# Altium PCB PCB1.PcbDoc
Units mm, origin at the board's own origin, x right, y up, seen from the top; angles counter-clockwise.
Board outline 98.71 x 75.31 mm, 4 copper layers (Top Layer 1, Top Layer, Bottom Layer, Bottom Layer 1), stack 1.483 mm thick; 68 components, 51 nets, 217 pads, 38 vias.
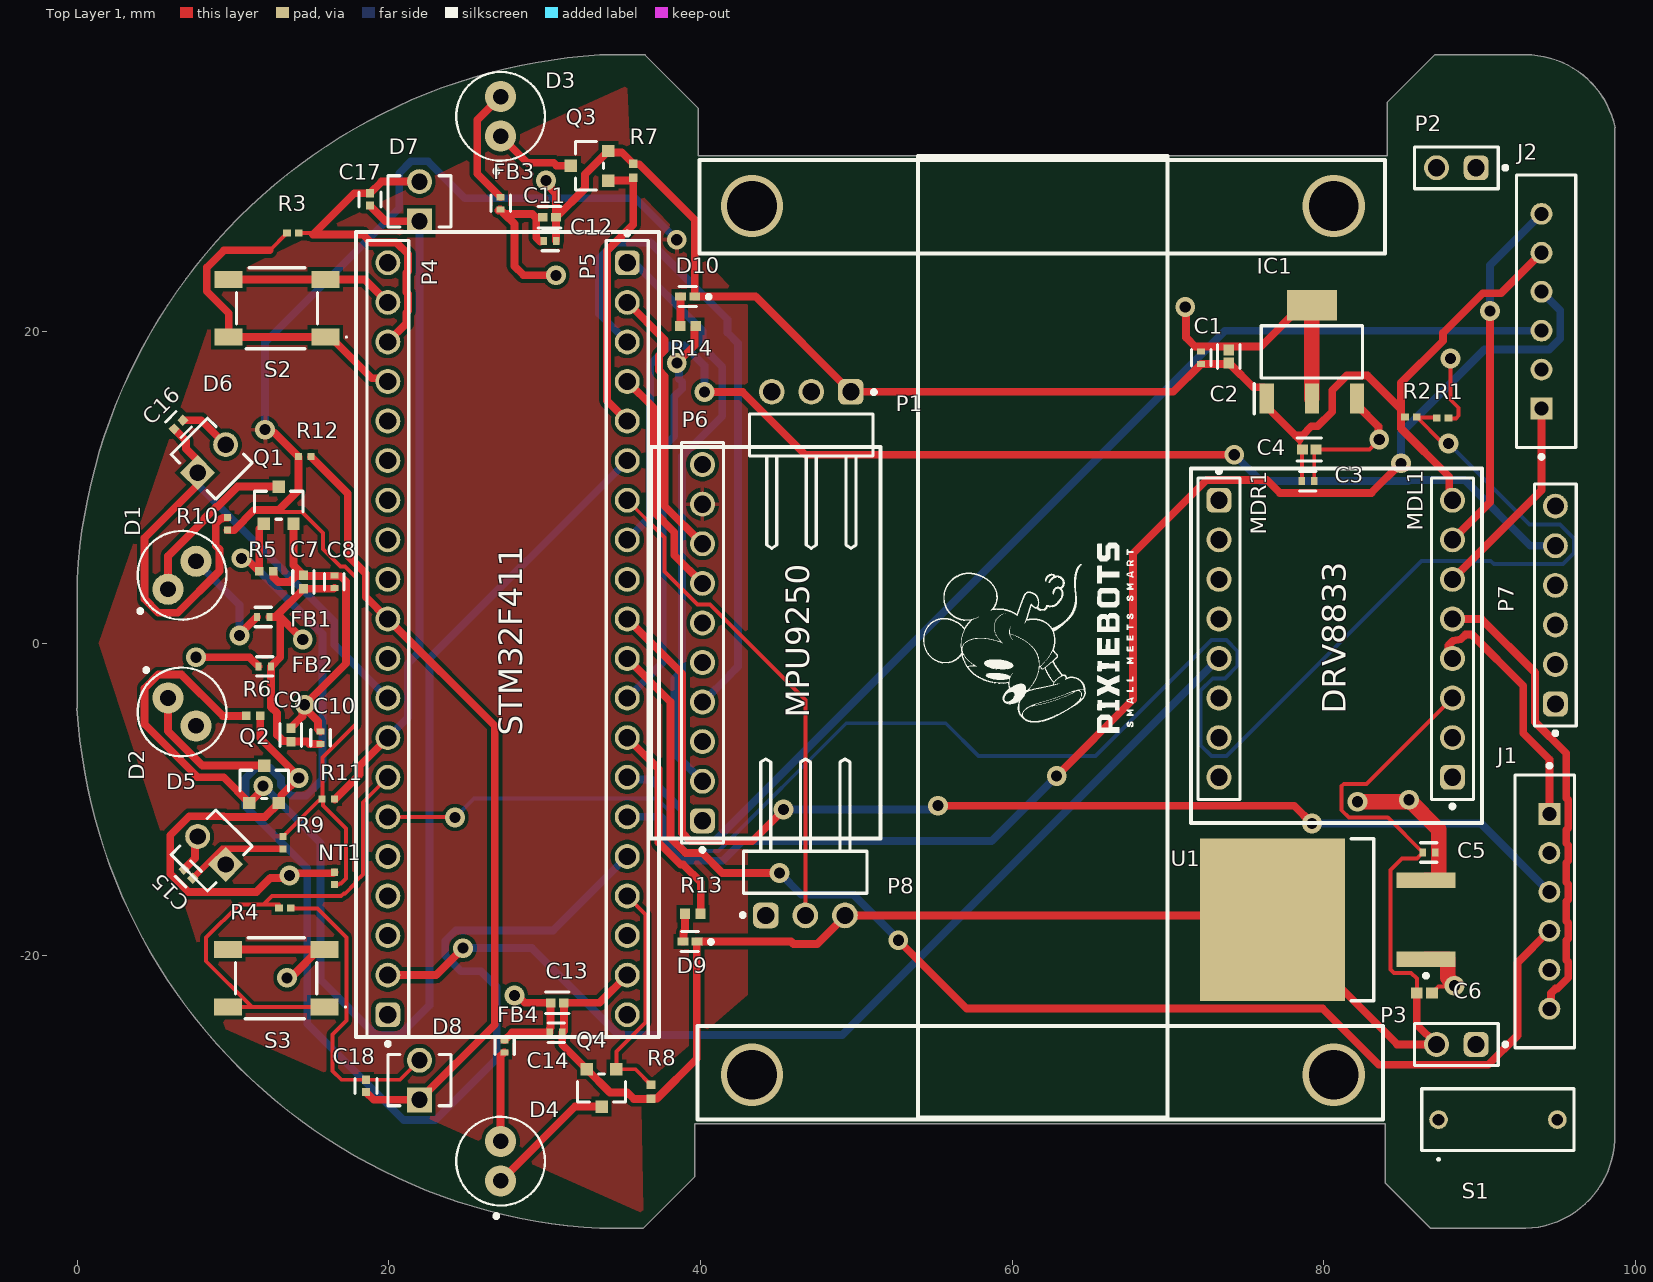
[diagram p0: Top Layer 1 view]
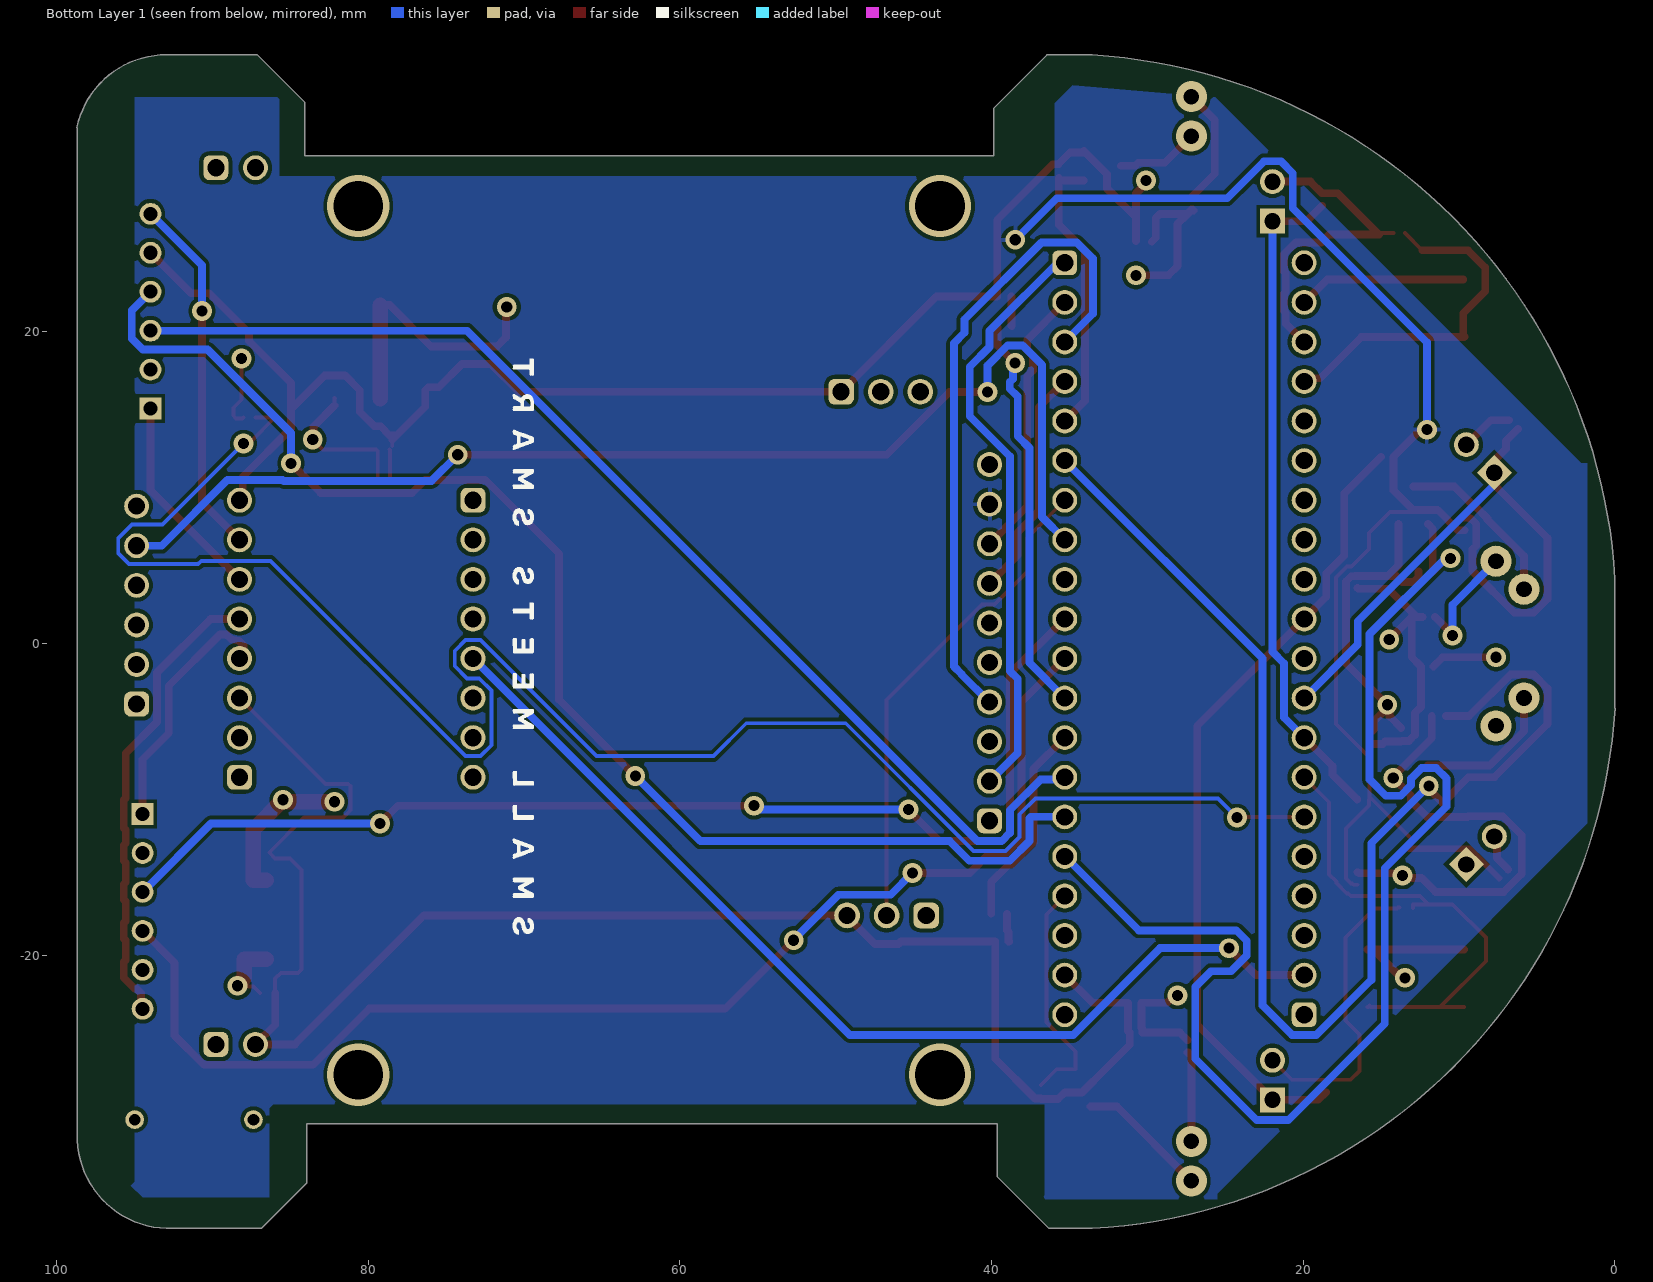
[diagram p1: Bottom Layer 1 view, seen from below]
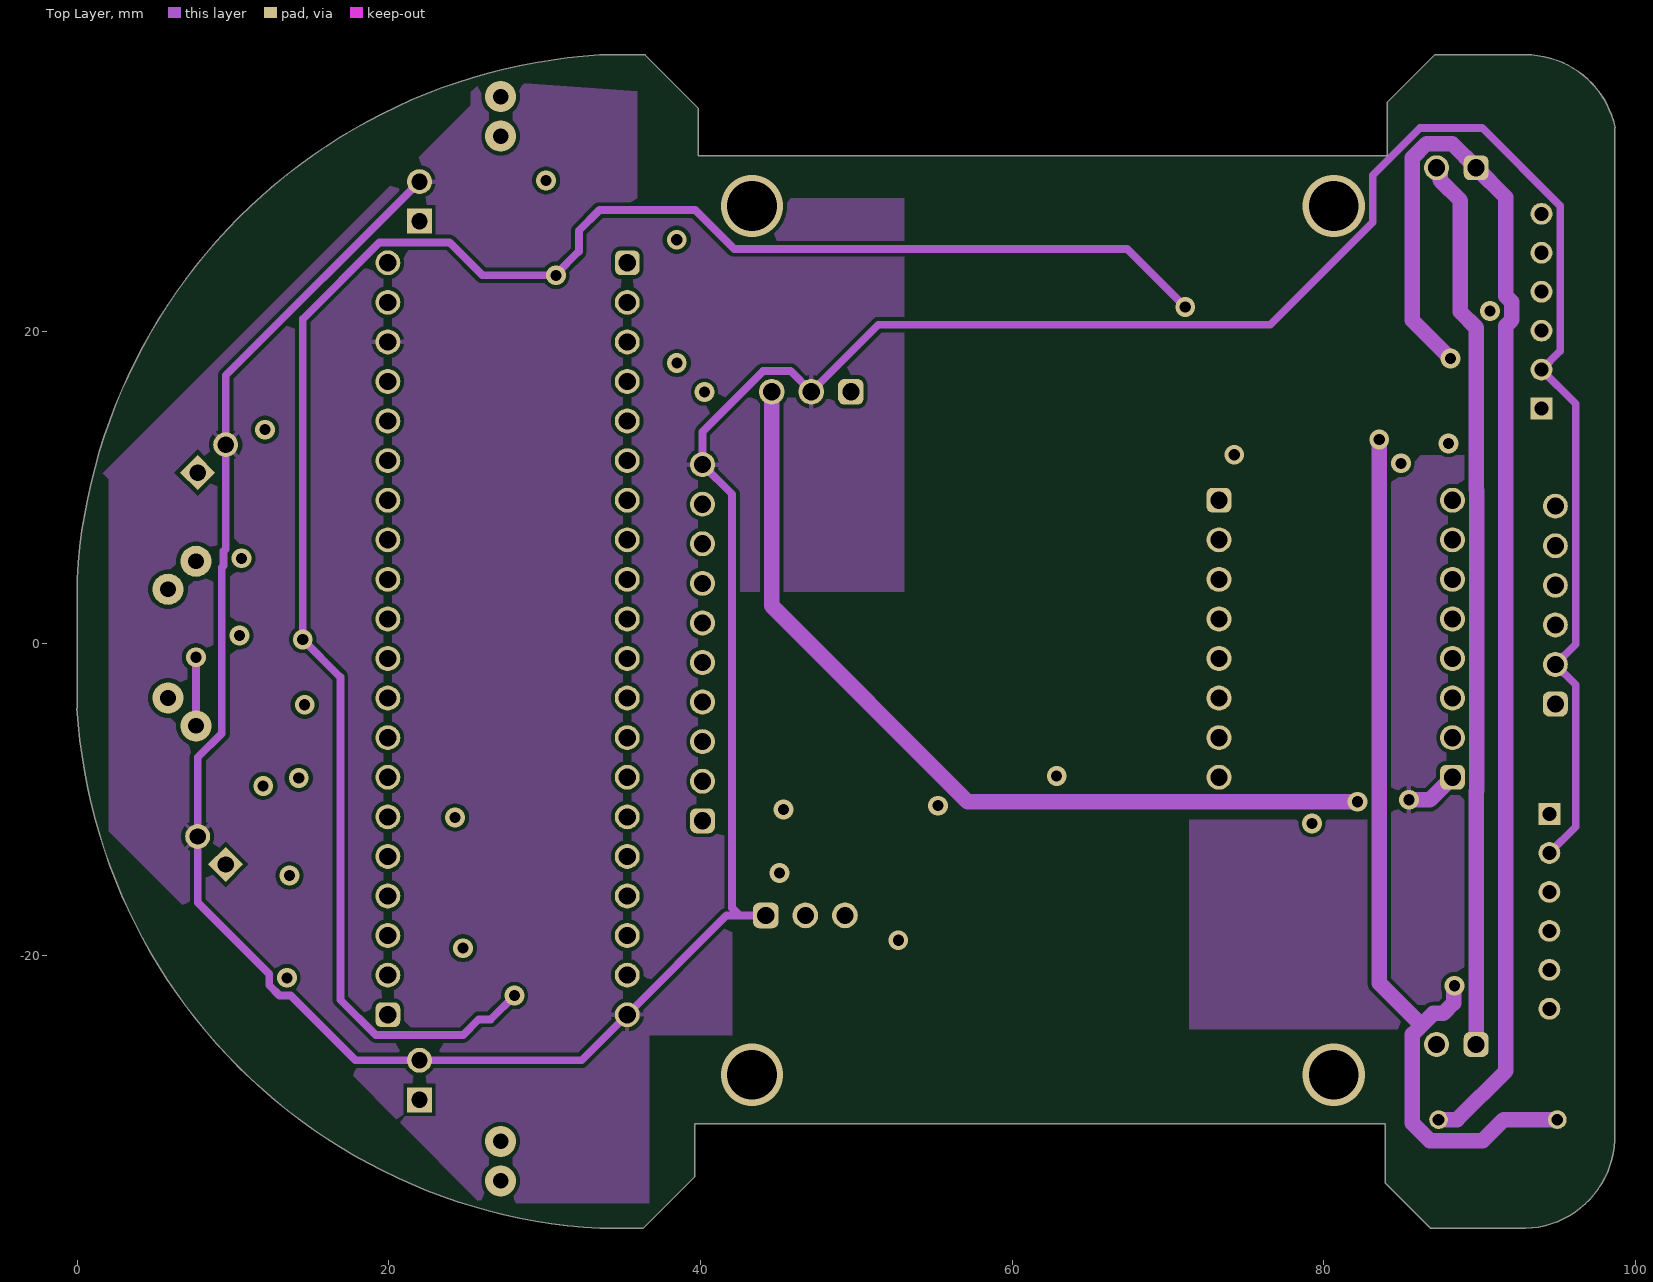
[diagram p2: Top Layer]
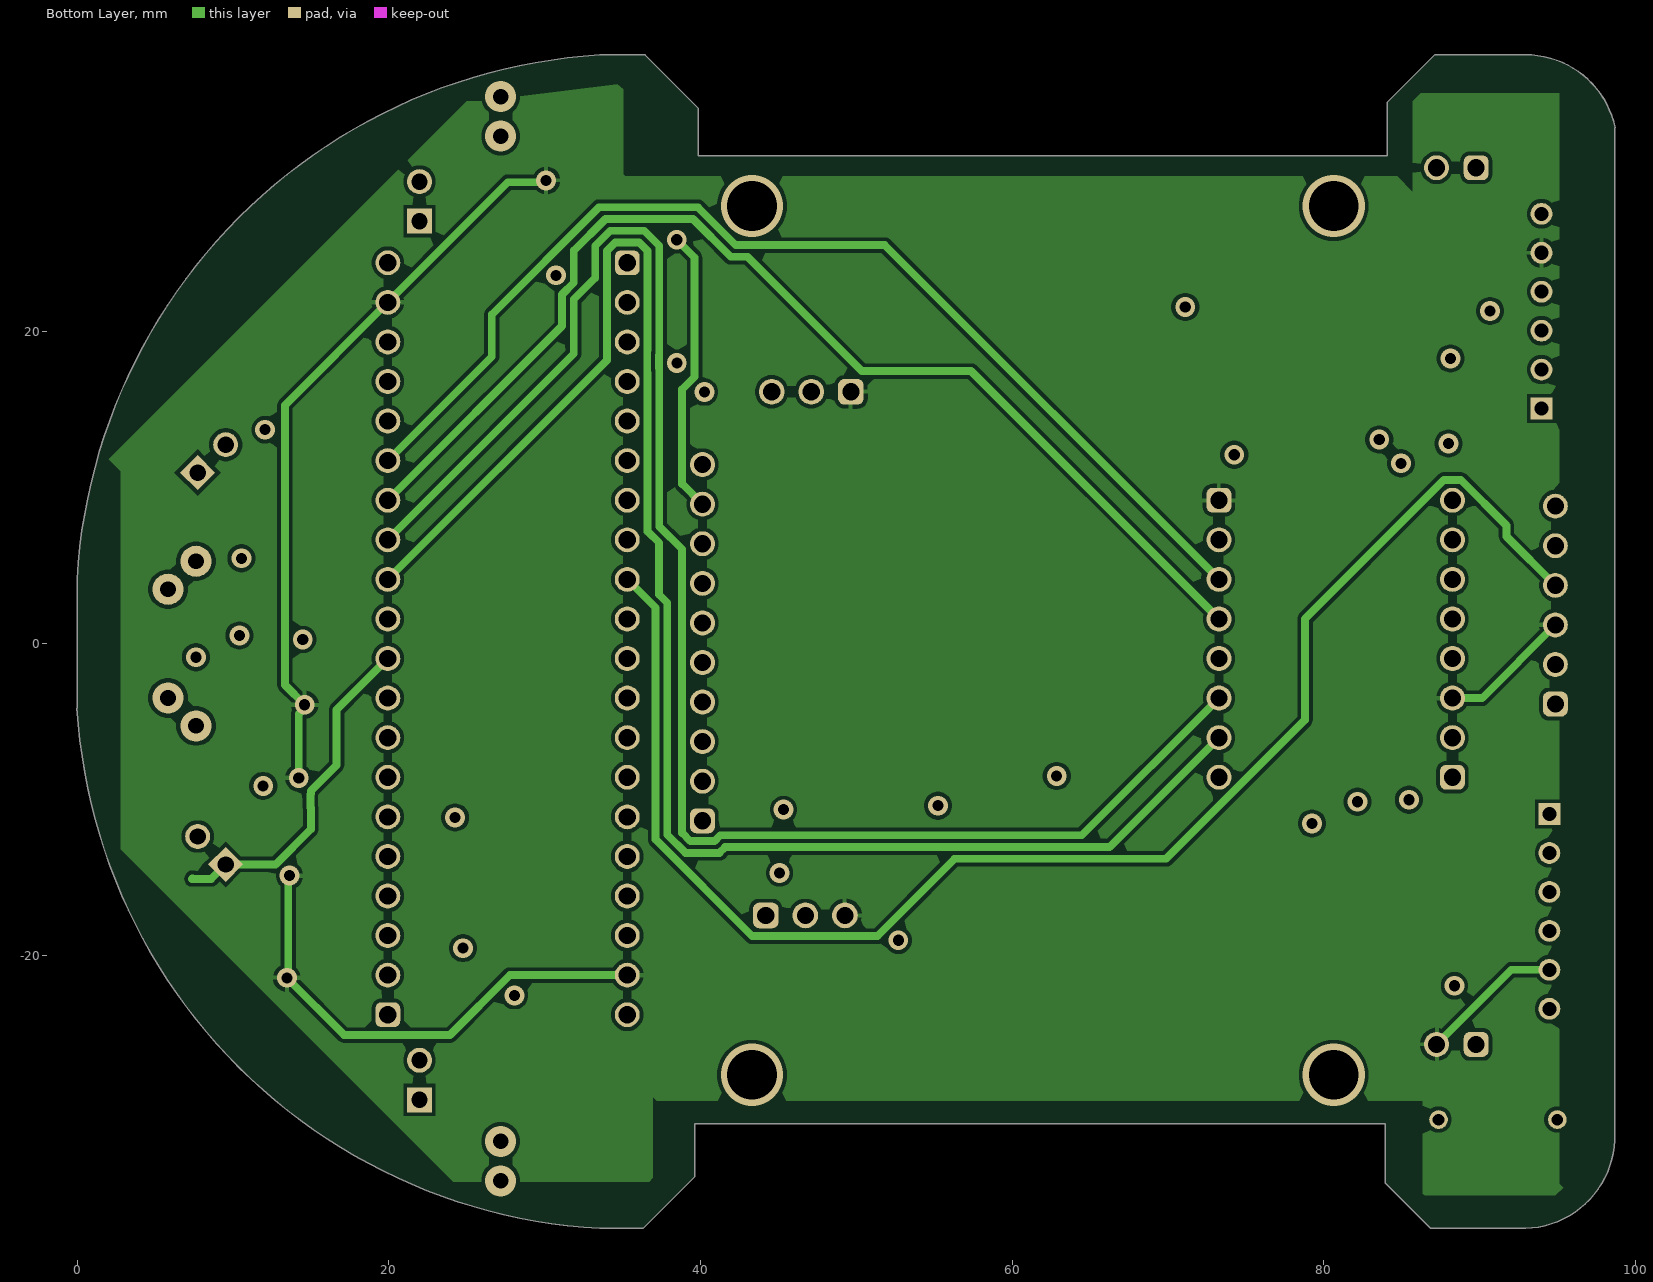
[diagram p3: Bottom Layer]
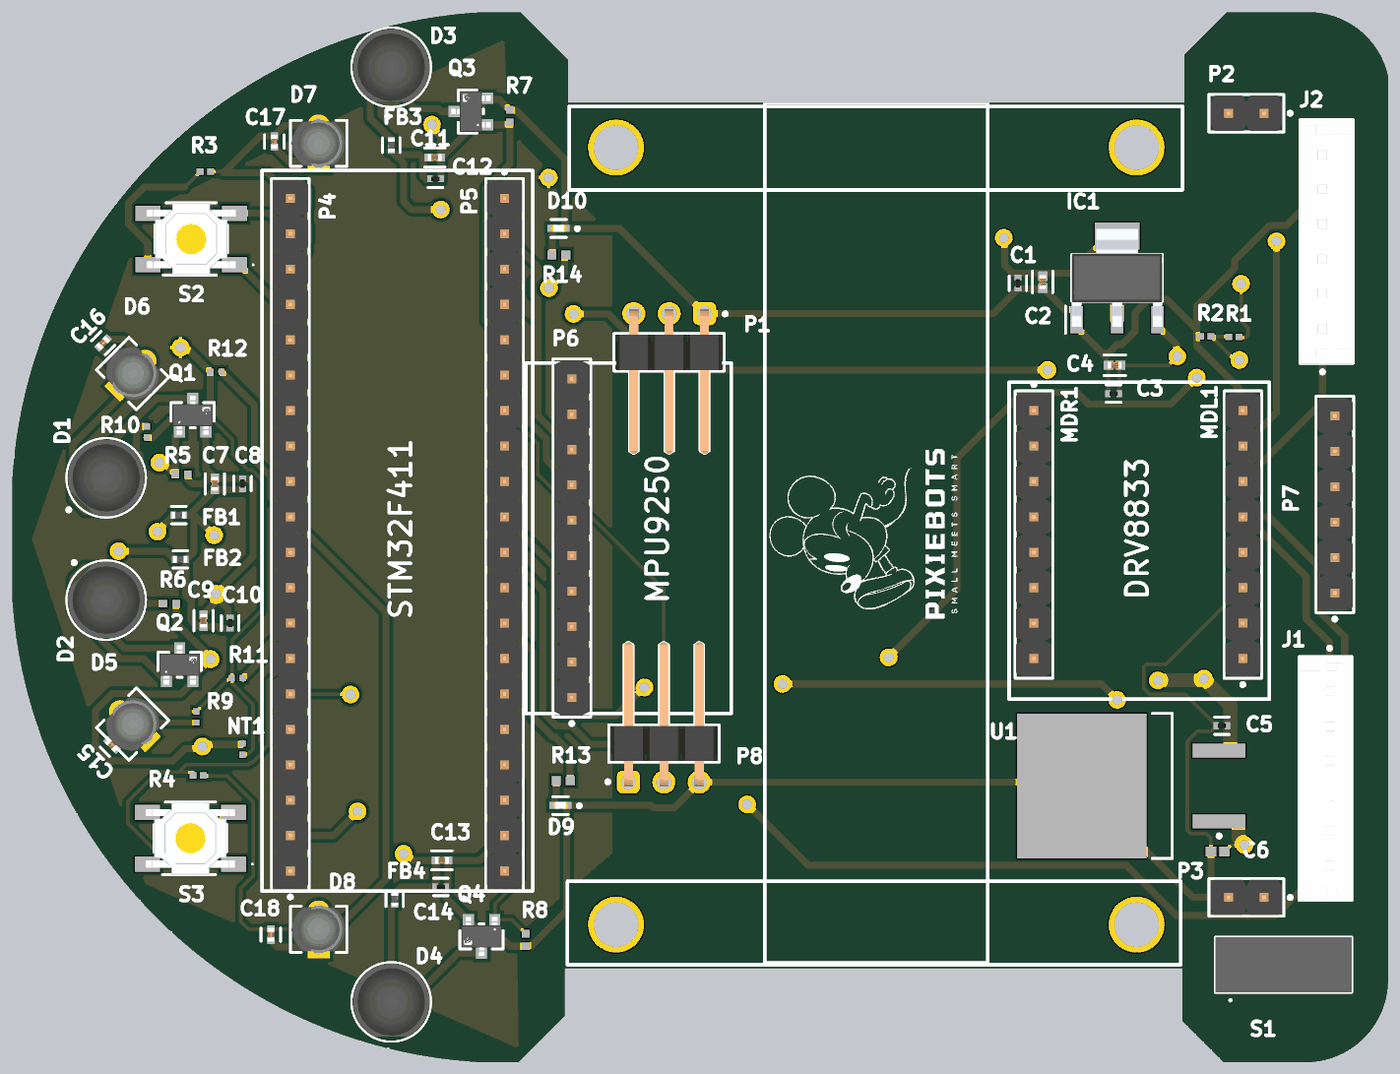
[diagram p4: 3D render of the assembled board from above, using the file's embedded part models]

## Layer stack, top to bottom
Top Solder: solder mask 0.0102, Solder Resist, Dk 3.5
Top Layer 1: signal copper 0.035
Dielectric 2: prepreg 0.0711, PP-006, Dk 4.29
Top Layer: signal copper 0.0356
Dielectric 1: dielectric 1.2, FR-4, Dk 4.8
Bottom Layer: signal copper 0.0356
Dielectric 3: prepreg 0.0711, PP-006, Dk 4.29
Bottom Layer 1: signal copper 0.035
Bottom Solder: solder mask 0.0102, Solder Resist, Dk 3.5

## Board outline
33.538,-37.547 36.322,-37.547 39.624,-34.245 39.624,-30.816 83.947,-30.816 83.947,-34.626 86.868,-37.547 92.954,-37.547 ccw(c92.768,-31.636) 98.679,-31.451 98.679,33.095 98.7,33.095 ccw(c92.964,31.922) 93.345,37.764 87.122,37.764 84.074,34.716 84.074,31.287 39.878,31.287 39.878,34.335 36.449,37.764 33.528,37.764 ccw(c35.687,2.077) -0.005,4.146 0,4.146 0,-4.146 -0.01,-4.146 ccw(c35.527,-2.001)

## Design rules (kind name [scope] priority, off if disabled: settings)
Clearance [All] p1: gap=0.254 ignorepadtopadclearanceinfootprint=FALSE except(0.15: SMDPad-SMDPad)
PolygonConnect [All] p1: connectstyle=Relief reliefconductorwidth=0.254 reliefentries=4 polygonreliefangle="90 Angle" airgapwidth=0.254
RoutingVias [All] p1: holewidth=0.711 width=1.27 viastyle="Through Hole" minholewidth=0.711 minwidth=1.27 maxholewidth=0.711 maxwidth=1.27
SolderMaskExpansion [All] p1: expansion=0.102 istentingtop=FALSE
SupplyNets "Schematic Supply Nets_6" [InNet('AGND')] p1: voltage=0.000
SupplyNets "Schematic Supply Nets_5" [InNet('7V4')] p2: voltage=0.000
SupplyNets "Schematic Supply Nets_4" [InNet('VBAT')] p3: voltage=0.000
SupplyNets "Schematic Supply Nets_3" [InNet('GND')] p4: voltage=0.000
SupplyNets "Schematic Supply Nets_2" [InNet('3V3')] p5: voltage=0.000
SupplyNets "Schematic Supply Nets_1" [InNet('5V')] p6: voltage=0.000
SupplyNets "Schematic Supply Nets" [InNet('6V')] p7: voltage=0.000
Width [All] p1: maxlimit=1 minlimit=0.2 preferedwidth=1 toplayer_prefwidth=0.254 midlayer1_minwidth=0.5 midlayer2_minwidth=0.5 bottomlayer_maxwidth=0.5 bottomlayer_prefwidth=0.254 minimp=50.000000 maximp=50.000000 favimp=50.000000
30 further rules are at their usual default settings.

## Components (designator, comment, footprint, x,y, rotation, side; value= is the part's Value field where it differs from the comment)
C1 "100nF" FP-GRM15-MFG 72.136,18.333 r90 top value=0.10μF
C2 "10uF" FP-GRM155-0_15-IPC_B 73.914,18.415 r270 top
C3 "100nF" FP-GRM15-MFG 78.994,10.414 r0 top value=0.10μF
C4 "10uF" FP-GRM155-0_15-IPC_B 79.075,12.446 r180 top
C5 "100nF" FP-GRM15-MFG 86.76,-13.417 r0 top value=0.10μF
C6 "330nF" CAPC1005X55X25ML05T10 86.469,-22.434 r0 top
C7 "4.7uF" FP-GRM155-0_1-IPC_B 14.526,3.935 r90 top
C8 "0.1uF" FP-GRM15-MFG 16.51,3.956 r270 top value=0.10μF
C9 "4.7uF" FP-GRM155-0_1-IPC_B 13.716,-5.876 r90 top
C10 "0.1uF" FP-GRM15-MFG 15.621,-6.051 r270 top value=0.10μF
C11 "4.7uF" FP-GRM155-0_1-IPC_B 30.305,27.35 r0 top
C12 "0.1uF" FP-GRM15-MFG 30.353,25.826 r180 top value=0.10μF
C13 "4.7uF" FP-GRM155-0_1-IPC_B 30.813,-23.069 r0 top
C14 "0.1uF" FP-GRM15-MFG 30.734,-24.98 r180 top value=0.10μF
C15 "2.2uF" FP-C0402C225M9PACTU-MFG 7.133,-14.792 r315 top
C16 "2.2uF" FP-C0402C225M9PACTU-MFG 6.506,14.044 r225 top
C17 "2.2uF" FP-C0402C225M9PACTU-MFG 18.796,28.493 r270 top
C18 "2.2uF" FP-C0402C225M9PACTU-MFG 18.542,-28.403 r270 top
D1 "SFH 4545" FP-SFH_4556-MFG 6.731,4.372 r45 top
D2 "SFH 4545" FP-SFH_4556-MFG 6.731,-4.4 r315 top
D3 "SFH 4545" FP-SFH_4556-MFG 27.178,33.827 r90 top
D4 "SFH 4545" FP-SFH_4556-MFG 27.178,-33.229 r90 top
D5 "TEFT4300" FP-6_544-5269_01-4-MFG 8.636,-13.29 r135 top
D6 "TEFT4300" FP-6_544-5269_01-4-MFG 8.636,11.856 r45 top
D7 "TEFT4300" FP-6_544-5269_01-4-MFG 21.971,28.366 r90 top
D8 "TEFT4300" FP-6_544-5269_01-4-MFG 21.971,-28.022 r90 top
D9 "LED R" FP-APHHS1005CGCK-MFG 39.322,-19.132 r180 top
D10 "LED L" FP-APHHS1005CGCK-MFG 39.185,22.27 r180 top
FB1 "10 ohm" FP-BLM15-0_05-MFG 11.938,1.696 r0 top
FB2 "10 ohm" FP-BLM15-0_05-MFG 12.046,-1.479 r0 top
FB3 "10 ohm" FP-BLM15-0_05-MFG 27.178,28.239 r270 top
FB4 "10 ohm" FP-BLM15-0_05-MFG 27.432,-25.863 r90 top
IC1 "AMS1117-5.0" SOT290P700X180-4N 79.248,18.714 r90 top
J1 "Left Motor" FP-B6B-EH-A_LF_SN-MFG 94.188,-17.2 r270 top
J2 "Right Motor" FP-B6B-EH-A_LF_SN-MFG 94.28,21.321 r90 top
MDL1 "61300811121" 61300811121 88.265,0.299 r90 top
MDR1 "61300811121" 61300811121 73.279,0.299 r270 top
NT1 "NT" RESC1005X40X25LL05T05 16.51,-15.087 r270 top
P1 "61300311021" 61300311021 47.117,13.38 r0 top
P2 "61300211121" 61300211121 88.519,30.525 r180 top
P3 "61300211121" 61300211121 88.519,-25.736 r180 top
P4 "61302011121" 61302011121 19.939,0.299 r90 top
P5 "61302011121" 61302011121 35.306,0.299 r270 top
P6 "MPU9250" 61301011121 40.132,0.045 r90 top
P7 "Bluetooth" 61300611121 94.869,2.458 r90 top
P8 "61300311021" 61300311021 46.736,-14.687 r180 top
Q1 "AO3400A" FP-SOT23-MFG 12.936,8.865 r90 top
Q2 "AO3400A" FP-SOT23-MFG 12.004,-9.042 r90 top
Q3 "AO3400A" FP-SOT23-MFG 32.893,30.652 r180 top
Q4 "AO3400A" FP-SOT23-MFG 33.655,-28.53 r270 top
R1 "18k" RESC1005X40X25LL05T10 87.63,14.478 r0 top
R2 "10k" RESC1005X40X25LL05T10 85.598,14.523 r0 top
R3 "10k" RESC1005X40X25LL05T10 13.843,26.334 r0 top
R4 "10k" RESC1005X40X25LL05T10 13.335,-16.973 r0 top
R5 "43k" RESC1005X40X25NL05T05 12.134,4.617 r180 top
R6 "43k" RESC1005X40X25NL05T05 11.303,-4.654 r180 top
R7 "43k" RESC1005X40X25NL05T05 35.687,30.329 r270 top
R8 "43k" RESC1005X40X25NL05T05 36.83,-28.784 r90 top
R9 "1.8k" RESC1005X40X25LL05T05 13.208,-12.782 r270 top
R10 "1.8k" RESC1005X40X25LL05T05 9.652,7.665 r90 top
R11 "1.8k" RESC1005X40X25LL05T05 16.129,-9.988 r0 top
R12 "1.8k" RESC1005X40X25LL05T05 14.605,11.983 r0 top
R13 "270" RESC1005X40X25ML05T05 39.518,-17.354 r0 top
R14 "270" RESC1005X40X25ML05T05 39.204,20.365 r0 top
S1 "206-1S" 2061S 87.376,-30.562 r90 top
S2 "Button Right" COM08720 12.827,21.508 r180 top
S3 "Button Left" COM08720 12.775,-21.49 r180 top
U1 "L7806ABD2T-TR" TO-263_N 80.264,-17.735 r180 top
